# Altium PCB PCB1.PcbDoc (part 2 of 5)
Units mm, origin at the board's own origin, x right, y up, seen from the top; angles counter-clockwise.
Board outline 140 x 90 mm, 6 copper layers (Top Layer, GND, Power, Layer 4, GND2, Bottom Layer), stack 1.503 mm thick; 176 components, 276 nets, 1448 pads, 686 vias.
Unrouted connection lines stored in the file: 7.
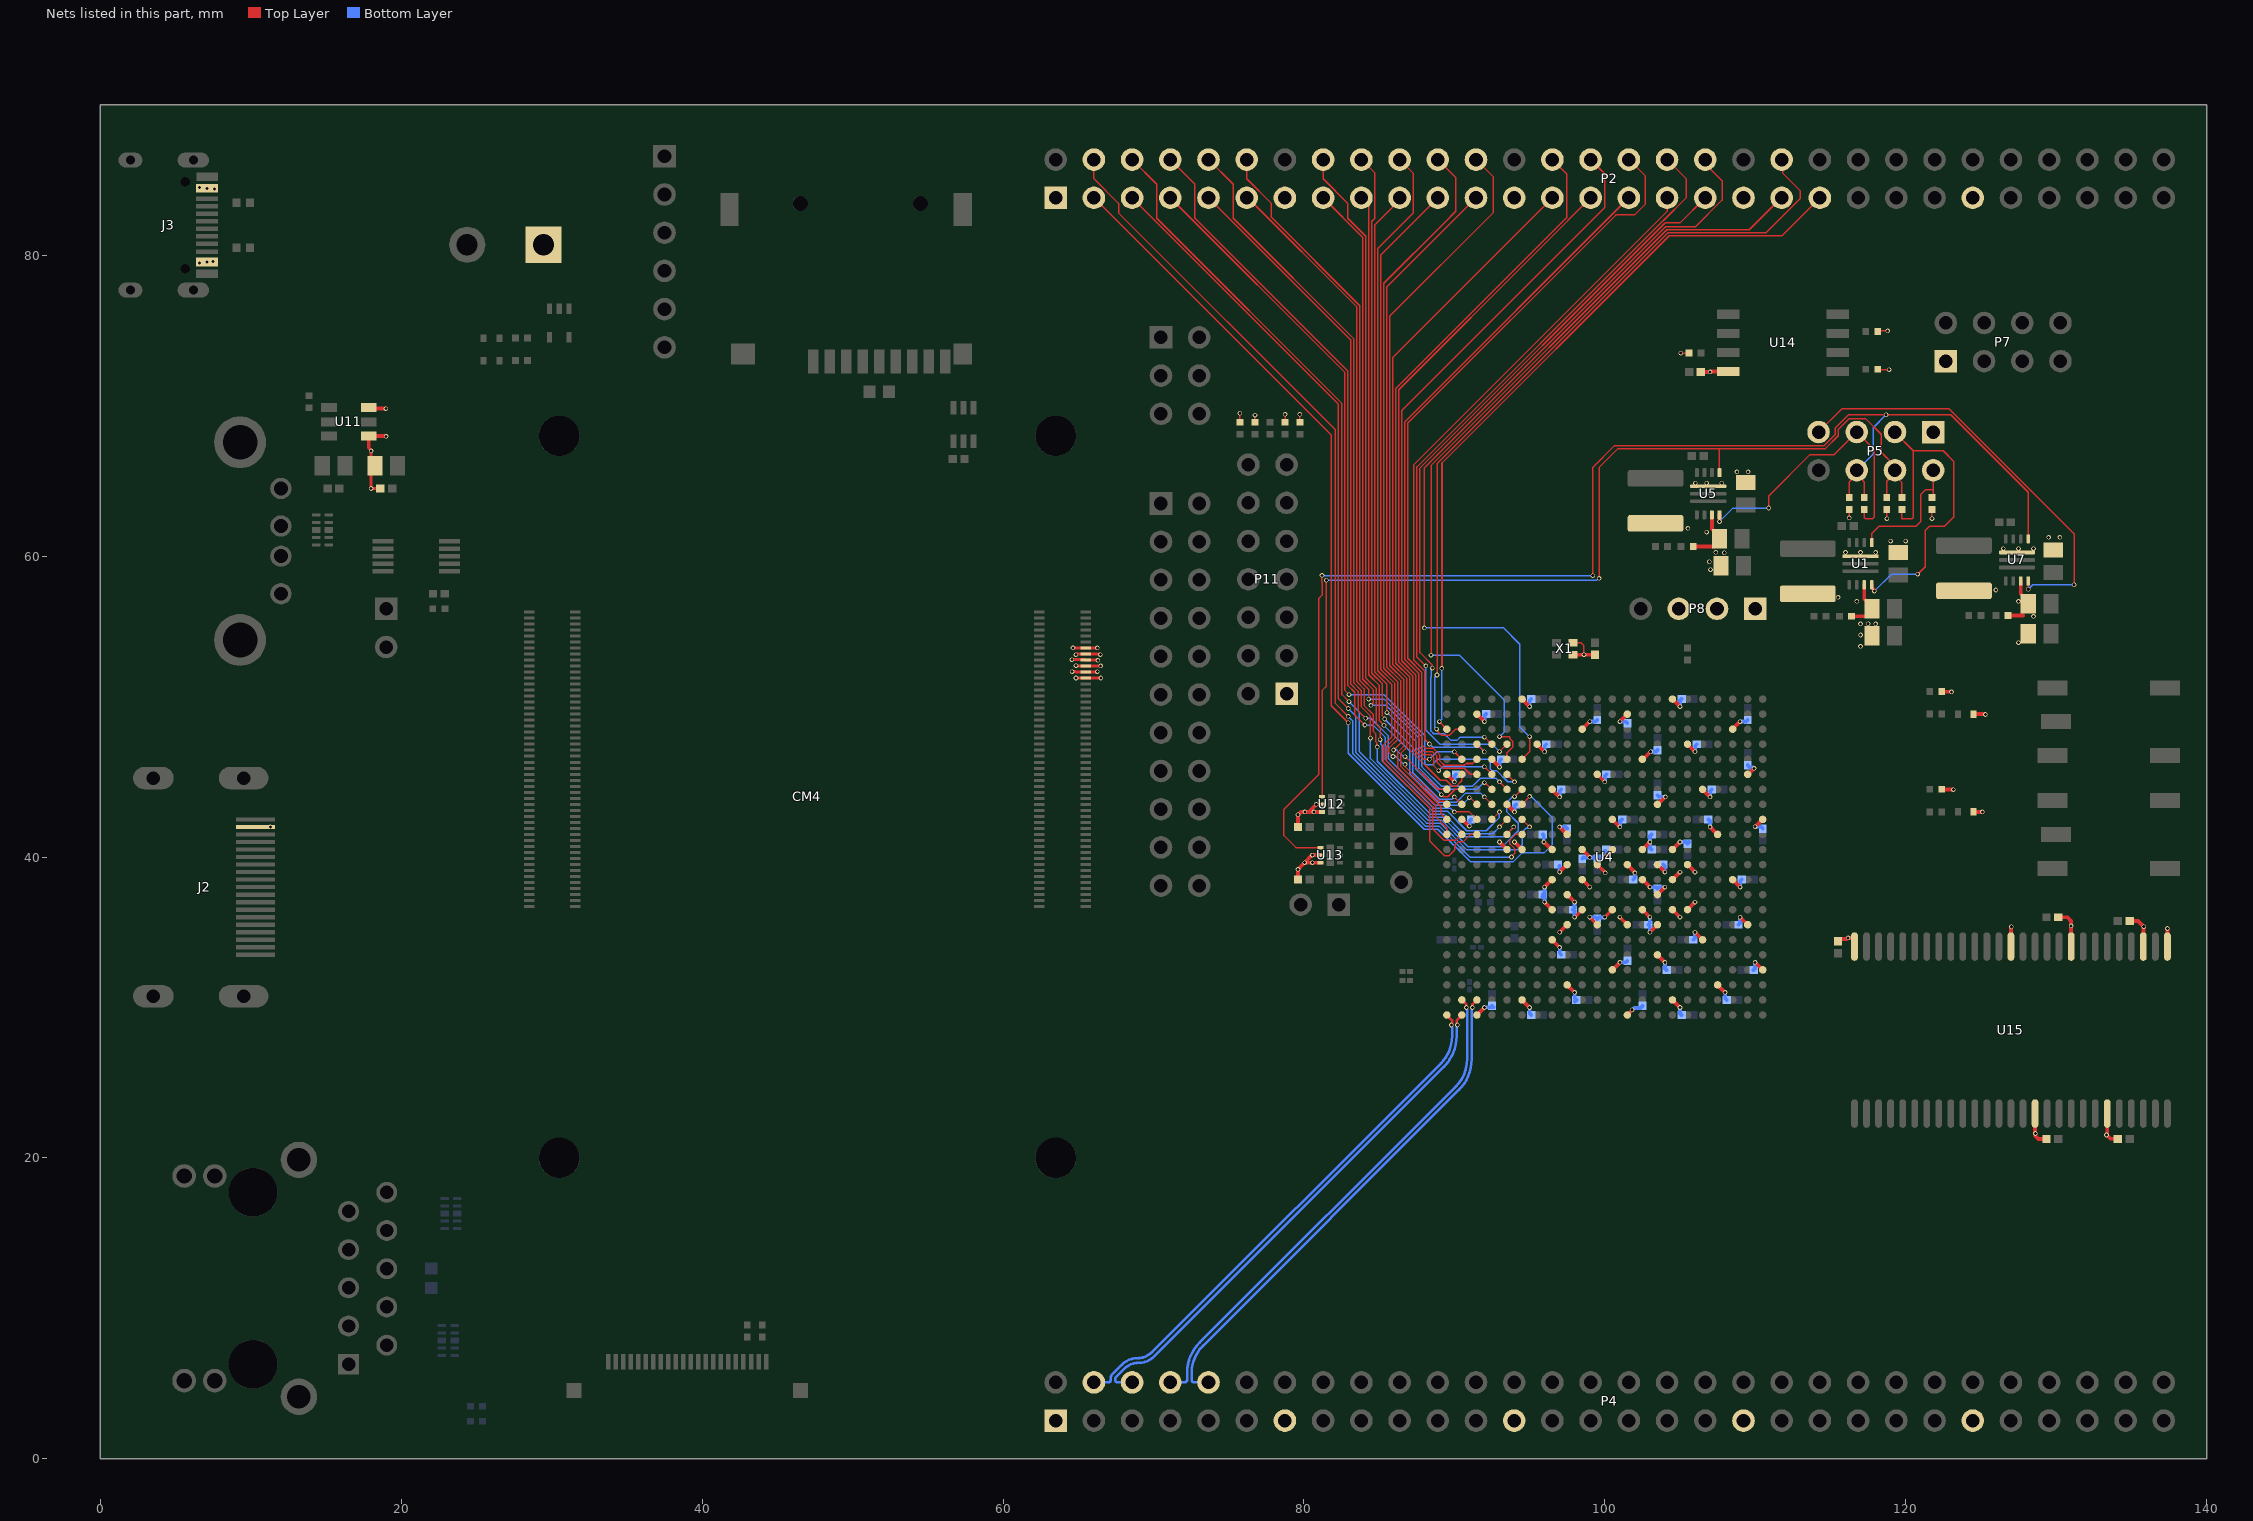
[diagram p6: the nets of this part, all layers, seen from the top]

## Part data
C1: library part GRM188R71H104KA93D, "CAP CER 0.1UF 50V X7R 0603", Case/Package=0603, Digi-Key Part Number=490-1519-1-ND, Manufacturer="Murata Electronics North America", Operating Temperature="-55°C ~ 125°C", Package / Case="0603 (1608 Metric)", Temperature Coefficient=X7R, Tolerance=±10%, Voltage=50V, Applications="General Purpose", Datasheets=http://www.murata.com/~/media/webrenewal/support/library/catalog/products/capacitor/mlcc/c02e.pdf, Features=-, Image=//media.digikey.com/Renders/Murata%20Renders/ZRB-SERIES-0402.jpg, PartNumber=GRM188R71H104KA93D, Series=GRM
C2 C3 C5 C6 C7 C8: library part GRM033R60J104KE19J, "CAP CER 0.1UF 6.3V X5R 0201", Case/Package=0201, Digi-Key Part Number=490-8155-1-ND, Manufacturer="Murata Electronics North America", Operating Temperature="-55°C ~ 85°C", Package / Case="0.024\" L x 0.012\" W (0.60mm x 0.30mm)", Temperature Coefficient=X5R, Tolerance=±10%, Voltage=6.3V, Applications="General Purpose", Datasheets=http://www.murata.com/~/media/webrenewal/support/library/catalog/products/capacitor/mlcc/c02e.pdf, Features=-, Image=//media.digikey.com/Renders/Murata%20Renders/ZRB-SERIES-0402.jpg, Mounting Type="0201 (0603 Metric)", Packaging="Cut Tape (CT)", Series=GRM
C4 C13 C14 C17 C18 C19 C29 C30 C31 C36 C37 C43 C44 C45 C61 C62 C67 C68 C73 C74 C79 C80 C84: library part GRM155R60G475ME47D, "CAP CER 4.7UF 4V X5R 0402", Case/Package=0402, Digi-Key Part Number=490-11980-1-ND, Manufacturer="Murata Electronics North America", Operating Temperature="-55°C ~ 85°C", Package / Case="0402 (1005 Metric)", Temperature Coefficient=X5R, Tolerance=±20%, Voltage=4V, Applications="General Purpose", Datasheets=http://www.murata.com/~/media/webrenewal/support/library/catalog/products/capacitor/mlcc/c02e.pdf, Features=-, Image=//media.digikey.com/Renders/Murata%20Renders/ZRB-SERIES-0402.jpg, Packaging="Cut Tape (CT)", PartNumber=GRM155R60G475ME47D, Series=GRM
C9 C56 C60 C63 C82 C85: library part GRM155R61A104KA01D, "CAP CER 0.1UF 10V X5R 0402", Case/Package=0402, Digi-Key Part Number=490-1318-1-ND, Manufacturer="Murata Electronics North America", Operating Temperature="-55°C ~ 85°C", Package / Case="0402 (1005 Metric)", Temperature Coefficient=X5R, Tolerance=±10%, Voltage=10V, Applications="General Purpose", Datasheets=http://www.murata.com/~/media/webrenewal/support/library/catalog/products/capacitor/mlcc/c02e.pdf, Features=-, Image=//media.digikey.com/Renders/Murata%20Renders/ZRB-SERIES-0402.jpg, Packaging="Cut Tape (CT)", PartNumber=GRM155R61A104KA01D, Series=GRM
C10 C11 C12 C15 C16 C20 C21 C22 C24 C25 C26 C27 C28 C32 C33 C39 C40 C41 C42 C64 C65 C66 C69 C70 C71 C72 C75 C76 C77 C78 C81: library part GRM155R60J474KE19D, "CAP CER 0.47UF 6.3V X5R 0402", Case/Package=0402, Digi-Key Part Number=490-3266-1-ND, Manufacturer="Murata Electronics North America", Operating Temperature="-55°C ~ 85°C", Package / Case="0402 (1005 Metric)", Temperature Coefficient=X5R, Tolerance=±10%, Voltage=6.3V, Applications="General Purpose", Datasheets=http://www.murata.com/~/media/webrenewal/support/library/catalog/products/capacitor/mlcc/c02e.pdf, Features=-, Image=//media.digikey.com/Renders/Murata%20Renders/ZRB-SERIES-0402.jpg, Packaging="Cut Tape (CT)", PartNumber=GRM155R60J474KE19D, Series=GRM
C23 C38: library part GRM155R71C103KA01D, "CAP CER 10000PF 16V X7R 0402", Case/Package=0402, Digi-Key Part Number=490-1313-1-ND, Manufacturer="Murata Electronics North America", Operating Temperature="-55°C ~ 125°C", Package / Case="0402 (1005 Metric)", Temperature Coefficient=X7R, Tolerance=±10%, Voltage=16V, Applications="General Purpose", Datasheets=http://www.murata.com/~/media/webrenewal/support/library/catalog/products/capacitor/mlcc/c02e.pdf, Features=-, Image=//media.digikey.com/Renders/Murata%20Renders/ZRB-SERIES-0402.jpg, Packaging="Cut Tape (CT)", PartNumber=GRM155R71C103KA01D, Series=GRM
C34 C35: library part GRM155R60J473KA01D, "CAP CER 0.047UF 6.3V X5R 0402", Case/Package=0402, Digi-Key Part Number=490-8250-1-ND, Manufacturer="Murata Electronics North America", Operating Temperature="-55°C ~ 85°C", Package / Case="0402 (1005 Metric)", Temperature Coefficient=X5R, Tolerance=±10%, Voltage=6.3V, Applications="General Purpose", Datasheets=http://www.murata.com/~/media/webrenewal/support/library/catalog/products/capacitor/mlcc/c02e.pdf, Features=-, Image=//media.digikey.com/Renders/Murata%20Renders/ZRB-SERIES-0402.jpg, Packaging="Cut Tape (CT)", PartNumber=GRM155R60J473KA01D, Series=GRM
C46: library part ZRB18AR60J476ME01L, "CAP CER 47UF 6.3V X5R 0603", Case/Package=0603, Digi-Key Part Number=490-13255-1-ND, Manufacturer="Murata Electronics North America", Operating Temperature="-55°C ~ 85°C", Package / Case="0603 (1608 Metric)", Temperature Coefficient=X5R, Tolerance=±20%, Voltage=6.3V, Applications="Acoustic Noise Reduction", Datasheets=http://psearch.en.murata.com/capacitor/product/ZRB18AR60J476ME01%23.pdf, Features="Derating Recommended, Interposer Termination", Image=//media.digikey.com/Renders/Murata%20Renders/ZRB-SERIES-0603.jpg, PartNumber=ZRB18AR60J476ME01L, Series=ZRB
C47 C50 C53 C83: library part GRM21BR71A106KE51L, "CAP CER 10UF 10V X7R 0805", Case/Package=0805, Digi-Key Part Number=490-3905-1-ND, Manufacturer="Murata Electronics North America", Operating Temperature="-55°C ~ 125°C", Package / Case="0805 (2012 Metric)", Temperature Coefficient=X7R, Tolerance=±10%, Voltage=10V, Applications="General Purpose", Datasheets=http://www.murata.com/~/media/webrenewal/support/library/catalog/products/capacitor/mlcc/c02e.pdf, Features=-, Image=//media.digikey.com/Renders/Murata%20Renders/0805%20(2012%20Metric)%20.85mm.jpg, Mounting Type="Surface Mount, MLCC", Part Status=Active, PartNumber=GRM21BR71A106KE51L, Series=GRM
C48 C51 C54 C57 C58 C59 C86: library part GRM219R61A226MEA0D, "CAP CER 22UF 10V X5R 0805", Case/Package=0805, Digi-Key Part Number=490-9951-1-ND, Manufacturer="Murata Electronics North America", Operating Temperature="-55°C ~ 85°C", Package / Case="0805 (2012 Metric)", Temperature Coefficient=X5R, Tolerance=±20%, Voltage=10V, Applications="General Purpose", Datasheets=http://www.murata.com/~/media/webrenewal/support/library/catalog/products/capacitor/mlcc/c02e.pdf, Features="Derating Recommended", Image=//media.digikey.com/Renders/Murata%20Renders/0805%20(2012%20Metric)%20.85mm.jpg, Mounting Type="Surface Mount, MLCC", Part Status=Active, PartNumber=GRM219R61A226MEA0D, Series=GRM
C49 C52 C55: library part GRM155R60J334KE01D, "CAP CER 0.33UF 6.3V X5R 0402", Case/Package=0402, Digi-Key Part Number=490-3265-1-ND, Manufacturer="Murata Electronics North America", Operating Temperature="-55°C ~ 85°C", Package / Case="0402 (1005 Metric)", Temperature Coefficient=X5R, Tolerance=±10%, Voltage=6.3V, Applications="General Purpose", Datasheets=http://www.murata.com/~/media/webrenewal/support/library/catalog/products/capacitor/mlcc/c02e.pdf, Features=-, Image=//media.digikey.com/Renders/Murata%20Renders/ZRB-SERIES-0402.jpg, Packaging="Cut Tape (CT)", PartNumber=GRM155R60J334KE01D, Series=GRM
C87: library part GRM155R61A225KE95D, "CAP CER 2.2UF 10V X5R 0402", Case/Package=0402, Digi-Key Part Number=490-10451-1-ND, Manufacturer="Murata Electronics North America", Operating Temperature="-55°C ~ 85°C", Package / Case="0402 (1005 Metric)", Temperature Coefficient=X5R, Tolerance=±10%, Voltage=10V, Applications="General Purpose", Datasheets=http://www.murata.com/~/media/webrenewal/support/library/catalog/products/capacitor/mlcc/c02e.pdf, Features="Derating Recommended", Image=//media.digikey.com/Renders/Murata%20Renders/ZRB-SERIES-0402.jpg, Packaging="Cut Tape (CT)", PartNumber=GRM155R61A225KE95D, Series=GRM
C88 C89 C90 C91: library part GRM155R61A223KA01D, "CAP CER 0.022UF 10V X5R 0402", Case/Package=0402, Digi-Key Part Number=490-6302-1-ND, Manufacturer="Murata Electronics North America", Operating Temperature="-55°C ~ 85°C", Package / Case="0402 (1005 Metric)", Temperature Coefficient=X5R, Tolerance=±10%, Voltage=10V, Applications="General Purpose", Datasheets=http://www.murata.com/~/media/webrenewal/support/library/catalog/products/capacitor/mlcc/c02e.pdf, Features=-, Image=//media.digikey.com/Renders/Murata%20Renders/ZRB-SERIES-0402.jpg, Packaging="Cut Tape (CT)", PartNumber=GRM155R61A223KA01D, Series=GRM
CM4: library part CM4, "Raspberry Pi Compute Module 4 by Amornthep Phunsin"
D1: "LED, 0402, Super Yellow Green, 35mcd@20mA, 566~576nm", LCSC PartNumber=C165979, Manufacturer=BrtLed(佰鸿), PartNumber=BL-HGE37A-AV-TRB
D2 D3 D4: "LED, 0402, Super Red, 50mcd@20mA, 627~637nm", LCSC PartNumber=C165980, Manufacturer=BrtLed(佰鸿), PartNumber=BL-HUB37A-AV-TRB
J1: library part CMP-1502-03227-1, "USB 2.0 Type A Receptacle WR-COM, Horizontal, THT", Contact Resistance=20mOhm, Manufacturer="Wurth Elektronik", Operating Temperature=-40to105degC, Rated Current=1.5A, Working Voltage=30VAC, Connector Type=USB2.0TypeA, Datasheet URL=https://katalog.we-online.de/em/datasheet/61400416021.pdf, Gender=Receptacle, Manufacturer URL=http://www.we-online.de, Mounting Technology=THT, Orientation=Horizontal, Package Reference=61400416021, Packaging=Tray, Part Number=61400416021, Publisher=WurthElektronik
J2: library part CMP-1502-00169-1, "HDMI Type A Receptacle WR-HDMI, Horizontal, SMT", Contact Resistance=30mOhm, Manufacturer="Wurth Elektronik", Operating Temperature=-20to85degC, Rated Current=0.5A, Working Voltage=40VDC, Connector Type=HDMITypeA, Datasheet URL=https://katalog.we-online.de/em/datasheet/685119134923.pdf, Gender=Receptacle, Manufacturer URL=http://www.we-online.de, Mounting Technology=SMT, Orientation=Horizontal, Package Reference=685119134923, Packaging=TapeandReel, Part Number=685119134923, Publisher=WurthElektronik
J3: "USB Connector TYPE-C-31-M-12 Female 16P SMD", Manufacturer=HRO, PartNumber=TYPE-C-31-M-12
J4: "Micro SD Card Connector", Manufacturer=Unknown/Generic, PartNumber=TFP09-2-12B
J5: library part CMP-27893-000001-1, "RJ45 JACK W/MAG 1X1 1000BASE-T", Manufacturer=Abracon, Package=0, Temperature="-40°C to +85°C", Temperature Range High=+85°C, Temperature Range Low=-40°C, Automotive=No, Category=Conn, ComponentLink2Description=Datasheet, ComponentLink2URL=https://abracon.com/Magnetics/ARJM11.pdf, Conn Gender=Female, Conn Orientation="Right Angle", Contact Material=Gold, Device Class L1=Connectors, Device Class L2="Modular / Ethernet Connectors", Device Class L3=unset, Digikey Description="RJ45 JACK W/MAG 1X1 1000BASE-T", Height=15.8mm, Is Female=yes, Lead Free=Yes, Manufacturer Part Number=ARJM11C7-502-AB-ER2-T, Number Of Contacts=10, Octopart=https://octopart.com/arjm11c7-502-ab-er2-t-abracon-86945316, Pitch=1.27mm, RoHS=TRUE, Shielding=true
J6: library part "Header 6", "Header, 6-Pin", LatestRevisionDate=17-Jul-2002, LatestRevisionNote="Re-released for DXP Platform.", Publisher="Altium Limited"
J7: "TERM BLOCK HDR 2POS 90DEG 5.08MM", Manufacturer="Phoenix Contact", PartNumber=1757268, ComponentLink2Description=Datasheet, ComponentLink2URL=1757268_06_en_00.pdf
J8: library part CMP-1241-00555-1, "0.5 mm Pitch Easy-On(TM) Type FPC Connector, 1.2 mm Mated Height, Right Angle, ZIF, SMT, Bottom Contact, 22 Circuits, -20 to 85 degC, ELV and RoHS Compliant, Tape and Reel", Current (Max per Contact)=0.5A, Manufacturer=Molex, Voltage (Max)=50V, Circuits (Loaded)=22, ComponentLink1Description="Manufacturer URL", ComponentLink1URL=http://www.molex.com/molex/index.jsp, ComponentLink2Description=Datasheet, ComponentLink2URL=http://www.molex.com/webdocs/datasheets/pdf/en-us/0545482271_FFC_FPC_CONNECTORS.pdf, ComponentLink3Description="Package Specification", ComponentLink3URL=http://www.molex.com/pdm_docs/sd/545482171_sd.pdf, Contact Position=Bottom, Durability (mating cycles max)=20, Entry Angle="90degrees Angle", Mated Height=1.20mm, Material - Metal="Phosphor Bronze", Material - Plating Mating=Gold, Material - Plating Termination=Tin, Mounting Technology="Surface Mount", Number of Rows=1, Orientation="Right Angle", PackageDescription="22-Lead FPC Connector, Pitch 0.5 mm", PackageReference=54548-2271, PackageVersion="Rev. N, 06/2008", Packing="Tape and Reel", PartNumber=54548-2271, PCB Locator=No, PCB Retention=Yes, Pitch - Mating Interface=0.50mm, Polarized to PCB=Yes, RoHS=TRUE, Stackable=No
L1: "Square logo"
L2 L3 L4: library part SWPA4030S1R5NT, "1.5uH ±20% 3.34A 26mΩ SMD,4.0x4.0x3.0mm Power Inductors RoHS", Case/Package=SMD,4.0x4.0x3.0mm, DC Resistance=26mΩ, LCSC PartNumber=C42100, Manufacturer=Sunlord, Saturation current=3.34A, Tolerance=±20%, Datasheets=https://datasheet.lcsc.com/szlcsc/1810161020_Sunlord-SWPA4030S1R5NT_C42100.pdf, Inductance=1.5uH, Package / Case=SMD,4.0x4.0x3.0mm, Packaging="Cut Tape (CT)", PartNumber=SWPA4030S1R5NT
P1: library part "Header 2", "Header, 2-Pin", LatestRevisionDate=17-Jul-2002, LatestRevisionNote="Re-released for DXP Platform.", Publisher="Altium Limited"
P2 P4: "Header, 30-Pin, Dual row", LatestRevisionDate=17-Jul-2002, LatestRevisionNote="Re-released for DXP Platform.", Publisher="Altium Limited"
P3: "Header, 11-Pin, Dual row", LatestRevisionDate=17-Jul-2002, LatestRevisionNote="Re-released for DXP Platform.", Publisher="Altium Limited"
P5 P7: "Header, 4-Pin, Dual row", LatestRevisionDate=17-Jul-2002, LatestRevisionNote="Re-released for DXP Platform.", Publisher="Altium Limited"
P6: "Header, 3-Pin, Dual row", LatestRevisionDate=17-Jul-2002, LatestRevisionNote="Re-released for DXP Platform.", Publisher="Altium Limited"
P8: "Header, 4-Pin", LatestRevisionDate=17-Jul-2002, LatestRevisionNote="Re-released for DXP Platform.", Publisher="Altium Limited"
P9 P10: "Header, 2-Pin", LatestRevisionDate=17-Jul-2002, LatestRevisionNote="Re-released for DXP Platform.", Publisher="Altium Limited"
P11: "Header, 7-Pin, Dual row", LatestRevisionDate=17-Jul-2002, LatestRevisionNote="Re-released for DXP Platform.", Publisher="Altium Limited"
R1: library part ERJ-2RKF2002X, "RES SMD 20K OHM 1% 1/10W 0402", Case/Package=0402, Digi-Key Part Number=P20.0KLCT-ND, Manufacturer="Panasonic Electronic Components", Operating Temperature="-55°C ~ 155°C", Package / Case="0402 (1005 Metric)", Power (Watts)="0.1W, 1/10W", Temperature Coefficient=±100ppm/°C, Tolerance=±1%, Composition="Thick Film", Datasheets=http://industrial.panasonic.com/www-cgi/jvcr13pz.cgi?E+PZ+3+AOA0002+ERJ2RKF2002X+7+WW, Features="Automotive AEC-Q200", Height - Seated (Max)="0.016\" (0.40mm)", Image=//media.digikey.com/Photos/Panasonic%20Photos/ERJ-PA2-Series.jpg, Number of Terminations=2, PartNumber=ERJ-2RKF2002X, Series=ERJ, Size / Dimension="0.039\" L x 0.020\" W (1.00mm x 0.50mm)"
R2: library part ERJ-2RKF2201X, "RES SMD 2.2K OHM 1% 1/10W 0402", Case/Package=0402, Digi-Key Part Number=P2.20KLCT-ND, Manufacturer="Panasonic Electronic Components", Operating Temperature="-55°C ~ 155°C", Package / Case="0402 (1005 Metric)", Power (Watts)="0.1W, 1/10W", Temperature Coefficient=±100ppm/°C, Tolerance=±1%, Composition="Thick Film", Datasheets=http://industrial.panasonic.com/www-cgi/jvcr13pz.cgi?E+PZ+3+AOA0002+ERJ2RKF2201X+7+WW, Features="Automotive AEC-Q200", Height - Seated (Max)="0.016\" (0.40mm)", Image=//media.digikey.com/Photos/Panasonic%20Photos/ERJ-PA2-Series.jpg, Number of Terminations=2, PartNumber=ERJ-2RKF2201X, Series=ERJ, Size / Dimension="0.039\" L x 0.020\" W (1.00mm x 0.50mm)"
R3 R4: library part ERJ-2GEJ471X, "RES SMD 470 OHM 5% 1/10W 0402", Case/Package=0402, Digi-Key Part Number=P470JCT-ND, Manufacturer="Panasonic Electronic Components", Operating Temperature="-55°C ~ 155°C", Package / Case="0402 (1005 Metric)", Power (Watts)="0.1W, 1/10W", Temperature Coefficient=±200ppm/°C, Tolerance=±5%, Composition="Thick Film", Datasheets=http://industrial.panasonic.com/www-cgi/jvcr13pz.cgi?E+PZ+3+AOA0001+ERJ2GEJ471X+7+WW, Features="Automotive AEC-Q200", Height - Seated (Max)="0.016\" (0.40mm)", Image=//media.digikey.com/Photos/Panasonic%20Photos/ERJ-PA2-Series.jpg, Number of Terminations=2, PartNumber=ERJ-2GEJ471X, Series=ERJ, Size / Dimension="0.039\" L x 0.020\" W (1.00mm x 0.50mm)"
R5 R6: library part ERJ-2RKF5101X, "RES SMD 5.1K OHM 1% 1/10W 0402", Case/Package=0402, Digi-Key Part Number=P5.10KLCT-ND, Manufacturer="Panasonic Electronic Components", Operating Temperature="-55°C ~ 155°C", Package / Case="0402 (1005 Metric)", Power (Watts)="0.1W, 1/10W", Temperature Coefficient=±100ppm/°C, Tolerance=±1%, Composition="Thick Film", Datasheets=http://industrial.panasonic.com/www-cgi/jvcr13pz.cgi?E+PZ+3+AOA0002+ERJ2RKF5101X+7+WW, Features="Automotive AEC-Q200", Height - Seated (Max)="0.016\" (0.40mm)", Image=//media.digikey.com/Photos/Panasonic%20Photos/ERJ-PA2-Series.jpg, Number of Terminations=2, PartNumber=ERJ-2RKF5101X, Series=ERJ, Size / Dimension="0.039\" L x 0.020\" W (1.00mm x 0.50mm)"
R7: library part ERJ-2RKF1273X, "RES SMD 127K OHM 1% 1/10W 0402", Case/Package=0402, Digi-Key Part Number=P127KLCT-ND, Manufacturer="Panasonic Electronic Components", Operating Temperature="-55°C ~ 155°C", Package / Case="0402 (1005 Metric)", Power (Watts)="0.1W, 1/10W", Temperature Coefficient=±100ppm/°C, Tolerance=±1%, Composition="Thick Film", Datasheets=http://industrial.panasonic.com/www-cgi/jvcr13pz.cgi?E+PZ+3+AOA0002+ERJ2RKF1273X+7+WW, Features="Automotive AEC-Q200", Height - Seated (Max)="0.016\" (0.40mm)", Image=//media.digikey.com/Photos/Panasonic%20Photos/ERJ-PA2-Series.jpg, Number of Terminations=2, PartNumber=ERJ-2RKF1273X, Series=ERJ, Size / Dimension="0.039\" L x 0.020\" W (1.00mm x 0.50mm)"
R8 R13: library part ERJ-2RKF3003X, "RES SMD 300K OHM 1% 1/10W 0402", Case/Package=0402, Digi-Key Part Number=P300KLCT-ND, Manufacturer="Panasonic Electronic Components", Operating Temperature="-55°C ~ 155°C", Package / Case="0402 (1005 Metric)", Power (Watts)="0.1W, 1/10W", Temperature Coefficient=±100ppm/°C, Tolerance=±1%, Composition="Thick Film", Datasheets=http://industrial.panasonic.com/www-cgi/jvcr13pz.cgi?E+PZ+3+AOA0002+ERJ2RKF3003X+7+WW, Features="Automotive AEC-Q200", Height - Seated (Max)="0.016\" (0.40mm)", Image=//media.digikey.com/Photos/Panasonic%20Photos/ERJ-PA2-Series.jpg, Number of Terminations=2, PartNumber=ERJ-2RKF3003X, Series=ERJ, Size / Dimension="0.039\" L x 0.020\" W (1.00mm x 0.50mm)"
R9 R10 R36 R37 R38 R39: library part ERJ-2GEJ102X, "RES SMD 1K OHM 5% 1/10W 0402", Case/Package=0402, Digi-Key Part Number=P1.0KJCT-ND, Manufacturer="Panasonic Electronic Components", Operating Temperature="-55°C ~ 155°C", Package / Case="0402 (1005 Metric)", Power (Watts)="0.1W, 1/10W", Temperature Coefficient=±200ppm/°C, Tolerance=±5%, Composition="Thick Film", Datasheets=http://industrial.panasonic.com/www-cgi/jvcr13pz.cgi?E+PZ+3+AOA0001+ERJ2GEJ102X+7+WW, Features="Automotive AEC-Q200", Height - Seated (Max)="0.016\" (0.40mm)", Image=//media.digikey.com/Photos/Panasonic%20Photos/ERJ-PA2-Series.jpg, Number of Terminations=2, PartNumber=ERJ-2GEJ102X, Series=ERJ, Size / Dimension="0.039\" L x 0.020\" W (1.00mm x 0.50mm)"
R11: library part ERJ-2RKF1000X, "RES SMD 100 OHM 1% 1/10W 0402", Case/Package=0402, Digi-Key Part Number=P100LCT-ND, Manufacturer="Panasonic Electronic Components", Operating Temperature="-55°C ~ 155°C", Package / Case="0402 (1005 Metric)", Power (Watts)="0.1W, 1/10W", Temperature Coefficient=±100ppm/°C, Tolerance=±1%, Composition="Thick Film", Datasheets=http://industrial.panasonic.com/www-cgi/jvcr13pz.cgi?E+PZ+3+AOA0002+ERJ2RKF1000X+7+WW, Features="Automotive AEC-Q200", Height - Seated (Max)="0.016\" (0.40mm)", Image=//media.digikey.com/Photos/Panasonic%20Photos/ERJ-PA2-Series.jpg, Number of Terminations=2, PartNumber=ERJ-2RKF1000X, Series=ERJ, Size / Dimension="0.039\" L x 0.020\" W (1.00mm x 0.50mm)"
R12: library part ERJ-PA2F4703X, "RES SMD 470K OHM 1% 1/5W 0402", Case/Package=0402, Digi-Key Part Number=P17240CT-ND, Manufacturer="Panasonic Electronic Components", Operating Temperature="-55°C ~ 155°C", Package / Case="0402 (1005 Metric)", Power (Watts)="0.2W, 1/5W", Temperature Coefficient=±100ppm/°C, Tolerance=±1%, Composition="Thick Film", Datasheets=https://industrial.panasonic.com/cdbs/www-data/pdf/RDA0000/AOA0000C243.pdf, Features="Automotive AEC-Q200, Pulse Withstanding", Height - Seated (Max)="0.016\" (0.40mm)", Image=//media.digikey.com/Photos/Panasonic%20Photos/ERJ-PA2-Series.jpg, Number of Terminations=2, PartNumber=ERJ-PA2F4703X, Series=ERJ, Size / Dimension="0.039\" L x 0.020\" W (1.00mm x 0.50mm)"
R14 R15 R28 R29 R30: library part ERJ-PA2F4701X, "RES SMD 4.7K OHM 1% 1/5W 0402", Case/Package=0402, Digi-Key Part Number=P17228CT-ND, Manufacturer="Panasonic Electronic Components", Operating Temperature="-55°C ~ 155°C", Package / Case="0402 (1005 Metric)", Power (Watts)="0.2W, 1/5W", Temperature Coefficient=±100ppm/°C, Tolerance=±1%, Composition="Thick Film", Datasheets=https://industrial.panasonic.com/cdbs/www-data/pdf/RDA0000/AOA0000C243.pdf, Features="Automotive AEC-Q200, Pulse Withstanding", Height - Seated (Max)="0.016\" (0.40mm)", Image=//media.digikey.com/Photos/Panasonic%20Photos/ERJ-PA2-Series.jpg, Number of Terminations=2, PartNumber=ERJ-PA2F4701X, Series=ERJ, Size / Dimension="0.039\" L x 0.020\" W (1.00mm x 0.50mm)"
R16 R31 R32: library part ERJ-2RKF3300X, "RES SMD 330 OHM 1% 1/10W 0402", Case/Package=0402, Digi-Key Part Number=P330LCT-ND, Manufacturer="Panasonic Electronic Components", Operating Temperature="-55°C ~ 155°C", Package / Case="0402 (1005 Metric)", Power (Watts)="0.1W, 1/10W", Temperature Coefficient=±100ppm/°C, Tolerance=±1%, Composition="Thick Film", Datasheets=http://industrial.panasonic.com/www-cgi/jvcr13pz.cgi?E+PZ+3+AOA0002+ERJ2RKF3300X+7+WW, Features="Automotive AEC-Q200", Height - Seated (Max)="0.016\" (0.40mm)", Image=//media.digikey.com/Photos/Panasonic%20Photos/ERJ-PA2-Series.jpg, Number of Terminations=2, PartNumber=ERJ-2RKF3300X, Series=ERJ, Size / Dimension="0.039\" L x 0.020\" W (1.00mm x 0.50mm)"
R17: library part ERJ-2RKF5603X, "RES SMD 560K OHM 1% 1/10W 0402", Case/Package=0402, Digi-Key Part Number=P560KLCT-ND, Manufacturer="Panasonic Electronic Components", Operating Temperature="-55°C ~ 155°C", Package / Case="0402 (1005 Metric)", Power (Watts)="0.1W, 1/10W", Temperature Coefficient=±100ppm/°C, Tolerance=±1%, Composition="Thick Film", Datasheets=http://industrial.panasonic.com/www-cgi/jvcr13pz.cgi?E+PZ+3+AOA0002+ERJ2RKF5603X+7+WW, Features="Automotive AEC-Q200", Height - Seated (Max)="0.016\" (0.40mm)", Image=//media.digikey.com/Photos/Panasonic%20Photos/ERJ-PA2-Series.jpg, Number of Terminations=2, PartNumber=ERJ-2RKF5603X, Series=ERJ, Size / Dimension="0.039\" L x 0.020\" W (1.00mm x 0.50mm)"
R18: library part ERJ-PA2F1503X, "RES SMD 150K OHM 1% 1/5W 0402", Case/Package=0402, Digi-Key Part Number=P17237CT-ND, Manufacturer="Panasonic Electronic Components", Operating Temperature="-55°C ~ 155°C", Package / Case="0402 (1005 Metric)", Power (Watts)="0.2W, 1/5W", Temperature Coefficient=±100ppm/°C, Tolerance=±1%, Composition="Thick Film", Datasheets=https://industrial.panasonic.com/cdbs/www-data/pdf/RDA0000/AOA0000C243.pdf, Features="Automotive AEC-Q200, Pulse Withstanding", Height - Seated (Max)="0.016\" (0.40mm)", Image=//media.digikey.com/Photos/Panasonic%20Photos/ERJ-PA2-Series.jpg, Number of Terminations=2, PartNumber=ERJ-PA2F1503X, Series=ERJ, Size / Dimension="0.039\" L x 0.020\" W (1.00mm x 0.50mm)"
R19 R20 R22: library part ERJ-PA2F1003X, "RES SMD 100K OHM 1% 1/5W 0402", Case/Package=0402, Digi-Key Part Number=P17236CT-ND, Manufacturer="Panasonic Electronic Components", Operating Temperature="-55°C ~ 155°C", Package / Case="0402 (1005 Metric)", Power (Watts)="0.2W, 1/5W", Temperature Coefficient=±100ppm/°C, Tolerance=±1%, Composition="Thick Film", Datasheets=https://industrial.panasonic.com/cdbs/www-data/pdf/RDA0000/AOA0000C243.pdf, Features="Automotive AEC-Q200, Pulse Withstanding", Height - Seated (Max)="0.016\" (0.40mm)", Image=//media.digikey.com/Photos/Panasonic%20Photos/ERJ-PA2-Series.jpg, Number of Terminations=2, PartNumber=ERJ-PA2F1003X, Series=ERJ, Size / Dimension="0.039\" L x 0.020\" W (1.00mm x 0.50mm)"
R21 R23 R24 R25 R26 R27: library part ERJ-2GE0R00X, "RES SMD 0.0OHM JUMPER 1/10W 0402", Case/Package=0402, Digi-Key Part Number=P0.0JCT-ND, Manufacturer="Panasonic Electronic Components", Operating Temperature="-55°C ~ 155°C", Package / Case="0402 (1005 Metric)", Power (Watts)="0.1W, 1/10W", Temperature Coefficient=-, Tolerance=Jumper, Composition="Thick Film", Datasheets=http://industrial.panasonic.com/www-cgi/jvcr13pz.cgi?E+PZ+3+AOA0001+ERJ2GE0R00X+7+WW, Features="Automotive AEC-Q200", Height - Seated (Max)="0.016\" (0.40mm)", Image=//media.digikey.com/Photos/Panasonic%20Photos/ERJ-PA2-Series.jpg, Number of Terminations=2, PartNumber=ERJ-2GE0R00X, Series=ERJ, Size / Dimension="0.039\" L x 0.020\" W (1.00mm x 0.50mm)"
R33: library part ERJ-2RKF1001X, "RES SMD 1K OHM 1% 1/10W 0402", Case/Package=0402, Digi-Key Part Number=P1.00KLCT-ND, Manufacturer="Panasonic Electronic Components", Operating Temperature="-55°C ~ 155°C", Package / Case="0402 (1005 Metric)", Power (Watts)="0.1W, 1/10W", Temperature Coefficient=±100ppm/°C, Tolerance=±1%, Composition="Thick Film", Datasheets=http://industrial.panasonic.com/www-cgi/jvcr13pz.cgi?E+PZ+3+AOA0002+ERJ2RKF1001X+7+WW, Features="Automotive AEC-Q200", Height - Seated (Max)="0.016\" (0.40mm)", Image=//media.digikey.com/Photos/Panasonic%20Photos/ERJ-PA2-Series.jpg, Number of Terminations=2, PartNumber=ERJ-2RKF1001X, Series=ERJ, Size / Dimension="0.039\" L x 0.020\" W (1.00mm x 0.50mm)"
R34 R35: library part ERJ-2RKF2701X, "RES SMD 2.7K OHM 1% 1/10W 0402", Case/Package=0402, Digi-Key Part Number=P2.70KLCT-ND, Manufacturer="Panasonic Electronic Components", Operating Temperature="-55°C ~ 155°C", Package / Case="0402 (1005 Metric)", Power (Watts)="0.1W, 1/10W", Temperature Coefficient=±100ppm/°C, Tolerance=±1%, Composition="Thick Film", Datasheets=http://industrial.panasonic.com/www-cgi/jvcr13pz.cgi?E+PZ+3+AOA0002+ERJ2RKF2701X+7+WW, Features="Automotive AEC-Q200", Height - Seated (Max)="0.016\" (0.40mm)", Image=//media.digikey.com/Photos/Panasonic%20Photos/ERJ-PA2-Series.jpg, Number of Terminations=2, PartNumber=ERJ-2RKF2701X, Series=ERJ, Size / Dimension="0.039\" L x 0.020\" W (1.00mm x 0.50mm)"